# KiCad board lights.kicad_pcb (continued)
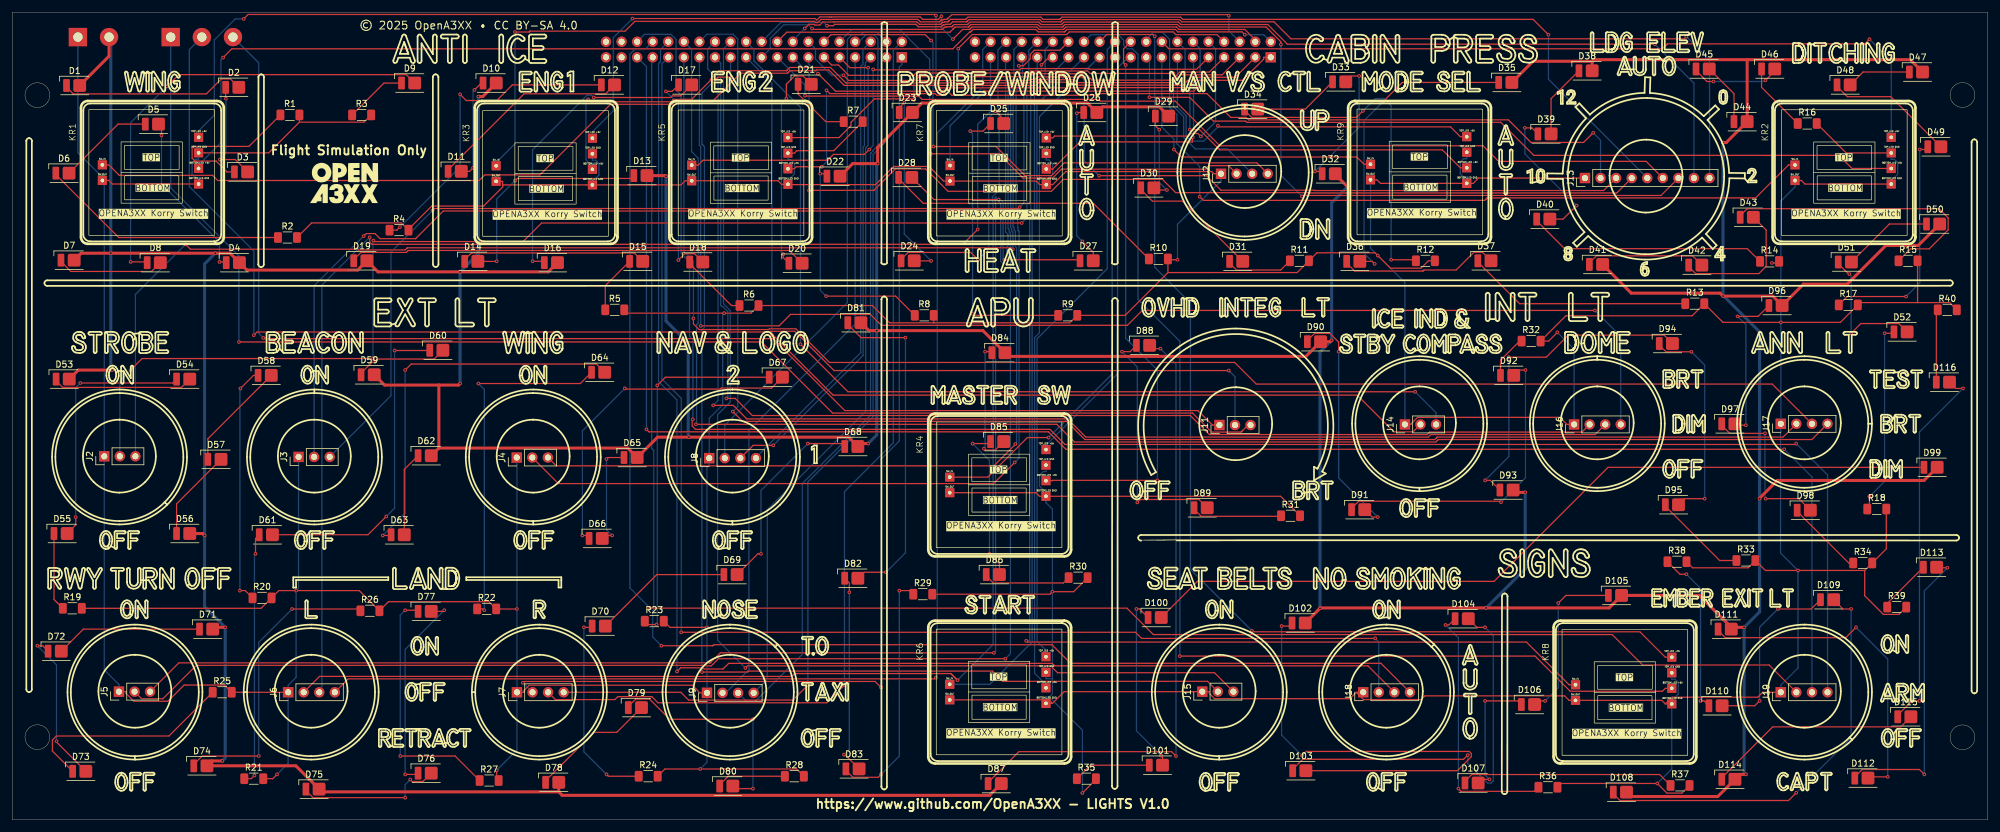
[diagram p0: board, top side]
## Nets (continued)
Net-(J1-Pin_21): J1.21 KR4.5
Net-(J1-Pin_22): J1.22 KR6.1
Net-(J1-Pin_23): J1.23 KR6.3
Net-(J1-Pin_24): J1.24 KR8.1
Net-(J1-Pin_25): J1.25 KR6.5
Net-(J1-Pin_26): J1.26 KR8.3
Net-(J1-Pin_27): J1.27 KR8.5
Net-(J1-Pin_28): J1.28 J2.3
Net-(J1-Pin_29): J1.29 J2.2
Net-(J1-Pin_30): J1.30 J3.2
Net-(J1-Pin_31): J1.31 J3.3
Net-(J1-Pin_32): J1.32 J4.2
Net-(J1-Pin_33): J1.33 J4.3
Net-(J1-Pin_34): J1.34 J5.2
Net-(J1-Pin_35): J1.35 J5.3
Net-(J1-Pin_36): J1.36 J6.2
Net-(J1-Pin_37): J1.37 J6.3
Net-(J1-Pin_38): J1.38 J6.4
Net-(J10-Pin_1): J7.2 J10.1
Net-(J10-Pin_2): J7.3 J10.2
Net-(J10-Pin_3): J7.4 J10.3
Net-(J10-Pin_4): J8.2 J10.4
Net-(J10-Pin_5): J8.3 J10.5
Net-(J10-Pin_6): J8.4 J10.6
Net-(J10-Pin_7): J9.2 J10.7
Net-(J10-Pin_8): J9.3 J10.8
Net-(J10-Pin_9): J9.4 J10.9
Net-(J10-Pin_10): J10.10 J12.2
Net-(J10-Pin_11): J10.11 J12.3
Net-(J10-Pin_12): J10.12 J12.4
Net-(J10-Pin_13): J10.13 J13.2
Net-(J10-Pin_14): J10.14 J13.3
Net-(J10-Pin_15): J10.15 J13.4
Net-(J10-Pin_16): J10.16 J13.5
Net-(J10-Pin_17): J10.17 J13.6
Net-(J10-Pin_18): J10.18 J13.7
Net-(J10-Pin_19): J10.19 J13.8
Net-(J10-Pin_20): J10.20 J13.9
Net-(J10-Pin_21): J10.21 J14.2
Net-(J10-Pin_22): J10.22 J14.3
Net-(J10-Pin_23): J10.23 J15.2
Net-(J10-Pin_24): J10.24 J15.3
Net-(J10-Pin_25): J10.25 J16.2
Net-(J10-Pin_26): J10.26 J16.3
Net-(J10-Pin_27): J10.27 J16.4
Net-(J10-Pin_28): J10.28 J17.2
Net-(J10-Pin_29): J10.29 J17.3
Net-(J10-Pin_30): J10.30 J17.4
Net-(J10-Pin_31): J10.31 J18.2
Net-(J10-Pin_32): J10.32 J18.3
Net-(J10-Pin_33): J10.33 J18.4
Net-(J10-Pin_34): J10.34 J19.2
Net-(J10-Pin_35): J10.35 J19.3
Net-(J10-Pin_36): J10.36 J19.4
Net-(J11-Pin_1): J11.1 J20.3
Net-(J11-Pin_2): J11.2 J20.2
Net-(J11-Pin_3): J11.3 J20.1

Pads without a net: J1 39 40; J10 37 38 39 40

## Via types
v1: diameter 0.6, hole 0.3, Top to Bottom, 280 vias

## Routing (per net, layer and track width the routed paths; a pad name or vN(x,y) marks a point on that pad's centre or on a via; arc(x,y) is an arc through that point)
+12V: length 1250.2
  Top w0.5: D71.2 32.99,31.39 v1(34.74,31.39) ; 280.46,31.39 275.25,36.6 D105.2 260.52,34.56 v1(240.47,34.56) 213.41,34.56 v1(213.35,34.5) D102.2 ; 280.46,31.39 v1(282.55,31.39) ; 280.46,31.39 D111.2 ; D13.2 106.57,105.1 v1(106.67,105) ; D81.2 139.76,79.8 v1(141.04,79.8) 158.36,79.8 D84.2 162.56,75.6 211.05,75.6 D90.2 215.03,78 v1(215.26,78.22) ; 283.05,124.02 309.64,124.02 D47.2 ; 283.05,124.02 258.02,124.02 257.76,123.75 ; 283.05,124.02 D44.2 279.64,110.49 v1(279.11,110.49) ; 69.6,70.92 69.6,60.64 ; 69.6,70.92 72.81,70.92 v1(73.06,71.17) ; 69.6,70.92 60.74,70.92 D59.2 ; 69.6,60.64 D62.2 ; 69.6,60.64 100.42,60.64 D65.2 105.29,62.43 v1(110.4,62.43) 136.43,62.43 D68.2 138.44,61.38 v1(139.63,61.38) ; D32.2 215.86,105.26 v1(217.86,103.27) ; v1(34.27,9.6) 32.56,9.6 D74.2 46.26,8.8 D75.2 50.51,4.55 89.16,4.55 ; D38.2 257.76,123.75 ; 257.76,123.75 248.11,123.75 D35.2 ; D56.2 31.06,46.7 v1(31.38,46.38) ; D99.2 311.9,55.35 287.97,55.35 285.08,52.47 v1(285.08,52.38) ; D29.2 187.14,116.31 177.86,116.31 D26.2 175.41,116.94 148.4,116.94 D23.2 141.19,109.73 v1(141.19,107.06) 137.12,107.06 D22.2 ; 89.16,4.55 89.72,3.99 159.45,3.99 D87.2 ; 89.16,4.55 D78.2 ; D1.2 15.79,124.59 J21.2 ; D53.2 10.77,73.37 v1(16.28,73.37) ; D93.2 245.25,53.41 v1(246.83,53.41) ; D7.2 11.23,92.43 v1(16.07,92.43) v1(33.12,92.43) 35.53,92.43 D4.2 38.27,89.69 56.35,89.69 D19.2 59.67,89.39 v1(73.06,89.39) 87.45,89.39 D16.2 ; D10.2 76.76,118 v1(76.05,118) ; D41.2 264.14,85.92 278.63,85.92 v1(279.11,85.44) 287.21,85.44 D96.2 292.24,87.39 299.38,87.39 305.68,93.69 310.95,93.69 D50.2 ; v1(282.85,7.4) 281.86,7.4 D114.2 278.25,3.79 264.07,3.79 D108.2
  Bottom w0.5: v1(16.28,73.37) 16.07,73.58 v1(16.07,92.43) 16.07,127.42 J21.2 ; v1(33.12,92.43) 31.38,90.7 v1(31.38,46.38) 31.38,34.75 v1(34.74,31.39) 34.74,10.07 v1(34.27,9.6) ; v1(279.11,110.49) v1(279.11,85.44) 279.24,85.44 285.08,79.59 v1(285.08,52.38) 285.08,33.92 v1(282.55,31.39) 282.55,7.7 v1(282.85,7.4) ; v1(217.86,103.27) 215.26,100.67 v1(215.26,78.22) 213.35,76.32 v1(213.35,34.5) ; v1(110.4,62.43) 110.29,62.54 110.29,77.74 106.67,81.37 v1(106.67,105) ; v1(141.19,107.06) 141.04,106.91 v1(141.04,79.8) 141.04,62.78 v1(139.63,61.38) ; v1(73.06,71.17) v1(73.06,89.39) 76.05,92.37 v1(76.05,118) ; v1(246.83,53.41) 246.83,40.92 v1(240.47,34.56)
GND: length 1608.4
  Top w0.2: R5.2 100.39,82.66 v1(116.14,82.66) 120.51,82.66 R6.2 140.32,83.9 143.14,81.08 150.35,81.08 ; J9.1 112.19,20.7 110.94,21.95 84.36,21.95 83.49,21.09 83.49,20.8 J7.1 ; R39.2 307.81,33.51 305.27,33.51 302.23,36.55 302.23,40.68 ; 80.01,103.58 80.01,103.25 76.89,100.13 68.43,100.13 64.65,96.35 R4.2 63.47,97.38 48.83,97.38 R2.2 ; 80.01,103.58 KR3.4 109.12,103.58 109.8,104.26 KR5.6 124.92,104.26 125.5,103.68 126.02,103.68 ; 80.01,103.58 80,103.59 80,104.16 KR3.6 ; 150.35,81.08 172.53,81.08 R9.2 181.57,82.3 188.55,89.28 ; 150.35,81.08 R8.2 ; 126.02,103.68 126.08,103.63 140.83,103.63 143.39,106.19 ; 126.02,103.68 KR5.4 ; 143.39,106.19 143.56,106.35 ; 143.39,106.19 143.56,106.35 ; 46.85,113.82 41.84,108.81 KR1.2 ; 46.85,113.82 R1.2 ; 46.85,113.82 57.37,113.82 R3.2 ; R36.2 252.72,5.92 v1(268.39,5.92) 269.96,4.35 272.4,4.35 R37.2 ; R12.2 231.06,91.2 229.85,90 224.85,90 v1(222.79,92.05) 222.34,92.5 212.85,92.5 R11.2 209.63,89.28 188.55,89.28 ; 188.55,89.28 R10.2 188.68,91.37 v1(190.11,91.37) ; 302.23,40.68 v1(291.35,40.68) 286.02,40.68 R33.2 283.21,41.11 274.14,41.11 R38.2 ; 302.23,40.68 R34.2 305.75,44.2 R18.2 ; KR8.4 269.7,18.9 ; 269.7,18.9 269.12,19.48 KR8.6 254,19.48 253.27,20.21 230.46,20.21 229.86,19.61 220.45,19.61 219.26,20.8 ; 269.7,18.9 270.79,19.99 284.78,19.99 285.59,20.8 J19.1 ; R21.2 42.5,6.7 v1(43.2,7.4) ; R19.2 40.6,34.5 R20.2 43.49,37.39 v1(46.32,37.39) 56.61,37.39 R26.2 61.38,35.58 77.77,35.58 R22.2 78.96,34.39 v1(82.34,34.39) ; R40.2 316.07,84.38 310.85,84.38 ; J12.1 196.06,105.4 195.7,105.75 171.88,105.75 169.75,103.63 KR7.4 167.65,103.63 167.07,104.21 KR7.6 151.95,104.21 149.57,106.59 143.79,106.59 143.56,106.35 ; KR1.6 15.75,104.31 16.33,103.73 KR1.4 ; 169.7,18.98 169.12,19.56 KR6.6 ; 169.7,18.98 KR6.4 ; 169.7,18.98 171.62,20.9 J15.1 195.3,20.9 195.3,20.61 196.17,19.75 218.21,19.75 219.26,20.8 ; R23.2 107.31,31.39 v1(113.34,31.39) ; KR4.6 167.02,53.36 167.6,52.78 KR4.4 206.92,52.78 R31.2 ; J5.1 18.56,20.9 18.56,20.61 19.84,19.34 25.39,19.34 28.04,21.98 34.62,21.98 R25.2 J6.1 ; 310.85,84.38 R15.2 ; 310.85,84.38 301.48,84.38 R17.2 298.25,81.15 v1(288.54,81.15) 279.1,81.15 R13.2 274.08,82.23 253.48,82.23 R32.2 250.66,78.1 v1(252.08,79.52) ; KR5.2 127.6,108.76 128,109.16 134.01,109.16 R7.2 ; v1(287.09,90.85) 288,90.85 R14.2 ; R29.2 169.29,36.8 v1(169.7,37.21) 173.16,37.21 R30.2 ; R24.2 106.48,8.28 v1(112.24,8.28) 127.97,8.28 R28.2 ; KR2.2 299.2,108.8 R16.2 ; 219.26,20.8 J18.1 ; R27.2 79.03,6.72 v1(79.03,8.09) ; KR2.6 291.9,104.3 292.48,103.72 KR2.4 ; KR9.6 222.65,104.41 223.23,103.83 KR9.4 238.35,103.83 239.22,104.7 J13.1 ; R35.2 176.8,6.57 v1(174.59,4.36) ; J16.1 253.66,64.5 252.51,65.65 229.27,65.65 228.2,64.57 228.2,64.5 J14.1
  Bottom w0.2: 169.18,20.03 174.59,14.61 v1(174.59,4.36) ; 169.18,20.03 168.65,20.03 KR6.4 ; 169.18,20.03 169.7,20.56 169.7,23.01 ; v1(116.14,82.66) 115.9,82.42 115.9,67.7 113.71,65.51 J8.1 113.71,57.85 113.34,57.48 v1(113.34,31.39) J9.1 113.34,9.38 v1(112.24,8.28) ; KR1.2 30.4,107.76 29.87,107.76 29.35,107.23 29.35,105.31 29.87,104.78 30.4,104.78 KR1.4 ; KR9.4 237.3,104.88 236.77,104.88 236.25,105.41 236.25,107.33 236.77,107.86 237.3,107.86 KR9.2 ; KR1.6 14.7,104.84 ; 14.7,104.84 14.7,105.36 14.17,105.36 10.71,108.83 J21.1 ; 14.7,104.84 15.01,104.53 J2.1 15.01,24.45 17.41,22.05 J5.1 ; KR7.2 168.7,107.66 169.14,107.66 169.75,107.05 169.75,105.3 169.14,104.68 168.7,104.68 KR7.4 ; v1(190.11,91.37) 190.11,97.15 197.21,104.25 J12.1 ; J4.1 82.31,57.95 82.34,57.92 v1(82.34,34.39) J7.1 82.34,11.39 v1(79.03,8.09) ; v1(252.08,79.52) 254.81,76.79 J16.1 ; KR3.2 94.65,107.61 95.18,107.61 95.7,107.08 95.7,105.16 95.18,104.63 94.65,104.63 KR3.4 ; 288.54,90.85 288.54,100.94 290.85,103.25 KR2.6 ; 288.54,90.85 v1(288.54,81.15) J17.1 288.54,63.45 288.5,63.41 288.5,43.52 v1(291.35,40.68) 291.35,24.76 288.54,21.95 J19.1 ; 288.54,90.85 v1(287.09,90.85) ; KR2.4 306.55,104.77 307.08,104.77 307.6,105.3 307.6,107.22 307.08,107.75 306.55,107.75 KR2.2 ; 169.7,23.01 v1(169.7,37.21) 169.7,50.68 168.65,51.73 KR4.4 168.65,53.83 168.19,53.83 167.6,54.42 167.6,56.22 168.19,56.81 168.65,56.81 KR4.2 ; 169.7,23.01 168.65,23.01 KR6.2 ; KR5.4 126.55,104.73 126.99,104.73 127.6,105.34 127.6,107.09 126.99,107.71 126.55,107.71 KR5.2 ; J3.1 46.71,37.78 v1(46.32,37.39) 46.32,23.26 45.01,21.95 J6.1 45.01,9.21 v1(43.2,7.4) ; KR8.2 270.75,22.93 271.28,22.93 271.8,22.4 271.8,20.48 271.28,19.95 270.75,19.95 KR8.4 270.75,8.29 v1(268.39,5.92) ; J14.1 227.21,87.63 v1(222.79,92.05) 221.6,93.24 KR9.6
Net-(D1-K): length 30.4
  Top w0.2: D1.1 8.85,119.53 9.95,118.43 31.66,118.43 34.11,120.88 35.58,120.88 D2.2
Net-(D2-K): length 17.6
  Top w0.2: D2.1 34.81,117.7 v1(34.85,117.65) ; D3.2 36.38,107.72 v1(33.87,107.72)
  Bottom w0.2: v1(34.85,117.65) 34.85,108.7 v1(33.87,107.72)
Net-(D3-K): length 26.2
  Top w0.2: R1.1 38.61,109.86 29.52,109.86 29.35,109.69 29.35,107.94 29.81,107.47 33.26,107.47 35.03,105.7 D3.1
Net-(D4-K): length 27.8
  Top w0.2: v1(24.35,111.65) 24.35,113.01 D5.2 ; v1(33.81,91.02) 34.79,91.02 D4.1
  Bottom w0.2: v1(33.81,91.02) 33.81,94.26 24.35,103.72 v1(24.35,111.65)
Net-(D5-K): length 15.8
  Top w0.2: D6.2 17.26,113.5 D5.1
Net-(D6-K): length 40.7
  Top w0.2: R2.1 17.36,95 7.11,105.25 D6.1
Net-(D7-K): length 17.7
  Top w0.2: D8.2 22.72,89.46 9.56,89.46 7.95,91.07 D7.1
Net-(D8-K): length 75.6
  Top w0.2: D8.1 21.88,91.03 v1(19.31,91.03) ; v1(25.22,119.64) 27.15,121.57 64.29,121.57 D9.2
  Bottom w0.2: v1(19.31,91.03) 19.31,113.73 v1(25.22,119.64)
Net-(D9-K): length 10.2
  Top w0.2: R3.1 60.65,120.2 D9.1
Net-(D10-K): length 16.8
  Top w0.2: v1(75.18,106.36) 74.62,105.8 D11.2 ; v1(75.41,119.08) 76.53,120.2 D10.1
  Bottom w0.2: v1(75.41,119.08) 75.18,118.85 v1(75.18,106.36)
Net-(D11-K): length 33.1
  Top w0.2: D11.1 71.11,106.05 83.5,118.44 96.8,118.44 D12.2
Net-(D12-K): length 52.1
  Top w0.2: v1(73.06,118.36) 74.06,117.35 79.05,117.35 81.59,119.9 D12.1 ; R4.1 62.75,96.2 v1(63.23,96.69)
  Bottom w0.2: v1(63.23,96.69) 73.06,106.52 v1(73.06,118.36)
Net-(D13-K): length 37.2
  Top w0.2: D14.2 79.01,91.1 v1(79.03,91.12) ; v1(82.02,104.27) 82.38,104.63 100.94,104.63 D13.1
  Bottom w0.2: v1(79.03,91.12) 79.03,101.28 v1(82.02,104.27)
Net-(D14-K): length 30.3
  Top w0.2: D14.1 73.81,91.37 74.91,92.47 101.49,92.47 D15.2
Net-(D15-K): length 9.5
  Top w0.2: R5.1 96.75,87.14 D15.1
Net-(D16-K): length 50.9
  Top w0.2: D16.1 86.59,91.12 v1(84.89,91.12) ; D17.2 109.06,118.1 107.68,118.1 107.42,117.84 v1(94.86,117.84)
  Bottom w0.2: v1(94.86,117.84) 94.49,118.21 93.78,118.21 84.89,109.32 v1(84.89,91.12)
Net-(D17-K): length 35.8
  Top w0.2: v1(106.63,118.84) 107.65,118.84 D17.1 ; v1(108.68,91.33) 109.71,92.35 111.31,92.35 D18.2
  Bottom w0.2: v1(108.68,91.33) 108.68,116.79 v1(106.63,118.84)
Net-(D18-K): length 11.2
  Top w0.2: D18.1 110.51,90.73 117.34,83.9 R6.1
Net-(D19-K): length 74.9
  Top w0.2: 64.6,92.88 126.78,92.88 D20.2 ; 64.6,92.88 64.51,92.8 ; 64.6,92.88 64.51,92.8 ; D19.1 55.71,91.39 56.89,92.57 64.28,92.57 64.51,92.8
Net-(D20-K): length 35.2
  Top w0.2: D21.2 129.01,121.35 127.63,121.35 126.3,120.02 v1(126.3,117.68) ; v1(125.78,92.28) 125.78,91.73 D20.1
  Bottom w0.2: v1(126.3,117.68) 125.5,116.88 125.5,92.56 v1(125.78,92.28)
Net-(D21-K): length 10.9
  Top w0.2: R7.1 132.73,113.9 128.21,118.42 D21.1
Net-(D22-K): length 37.4
  Top w0.2: v1(131.83,105.41) 132.5,105.41 D22.1 ; R8.1 144.12,85.43 v1(132.79,85.43)
  Bottom w0.2: v1(132.79,85.43) 131.83,86.39 v1(131.83,105.41)
Net-(D23-K): length 32.3
  Top w0.2: v1(149.91,91.19) 147.17,91.19 D24.2 ; D23.1 144.71,116.19 v1(145.52,117)
  Bottom w0.2: v1(149.91,91.19) 145.52,95.57 v1(145.52,117)
Net-(D24-K): length 41.8
  Top w0.2: D24.1 145.01,91.42 146.16,92.56 156.37,92.56 v1(157.57,91.37) ; v1(160.4,115.63) 161.76,114.28 D25.2
  Bottom w0.2: v1(157.57,91.37) 159.32,93.11 159.32,114.55 v1(160.4,115.63)
Net-(D25-K): length 47.9
  Top w0.2: R9.1 156.9,82.3 v1(156.68,82.52) ; v1(156.3,112.36) 158.37,112.36 D25.1
  Bottom w0.2: v1(156.3,112.36) 156.68,111.98 v1(156.68,82.52)
Net-(D26-K): length 26.4
  Top w0.2: v1(174.59,94.37) 176.36,92.6 D27.2 ; D26.1 173.8,115.4 v1(173.67,115.27)
  Bottom w0.2: v1(174.59,94.37) 173.67,95.28 v1(173.67,115.27)
Net-(D27-K): length 38.6
  Top w0.2: D27.1 174.05,91.36 v1(161.85,91.36) ; v1(160.92,101.19) 150.37,101.19 D28.2
  Bottom w0.2: v1(161.85,91.36) 161.66,91.55 161.66,100.73 161.07,101.33 v1(160.92,101.19)
Net-(D28-K): length 46.5
  Top w0.2: D28.1 144.61,104.6 148.62,100.59 176.36,100.59 R10.1
Net-(D29-K): length 15.1
  Top w0.2: D29.1 186.5,113.23 v1(187.13,112.59) ; v1(188.38,102.75) 186.61,102.75 D30.2
  Bottom w0.2: v1(187.13,112.59) 187.13,103.99 v1(188.38,102.75)
Net-(D30-K): length 21.8
  Top w0.2: D30.1 184.11,102.83 186.01,100.93 190.92,100.93 D31.2
Net-(D31-K): length 11.2
  Top w0.2: R11.1 206.94,89.69 199.73,89.69 198.6,90.83 D31.1
Net-(D32-K): length 22.5
  Top w0.2: D33.2 218.51,121.35 v1(219.75,121.35) ; v1(212.54,105.78) 213.33,105.78 D32.1
  Bottom w0.2: v1(219.75,121.35) 219.75,112.99 v1(212.54,105.78)
Net-(D33-K): length 14.1
  Top w0.2: D34.2 210.96,115.95 D33.1
Net-(D34-K): length 55.6
  Top w0.2: v1(220.36,115.65) 219.3,114.59 202.21,114.59 201.05,115.75 D34.1 ; v1(224.96,91.37) 228.83,91.37 R12.1
  Bottom w0.2: v1(224.96,91.37) 224.96,116.51 223.8,117.67 222.37,117.67 v1(220.36,115.65)
Net-(D35-K): length 51.2
  Top w0.2: v1(222.27,90.7) 221.87,91.1 D36.2 ; D35.1 226.79,120.3 v1(223.55,117.07)
  Bottom w0.2: v1(223.55,117.07) 220.54,114.06 220.54,92.42 v1(222.27,90.7)
Net-(D36-K): length 26.4
  Top w0.2: 230.15,89.53 230.32,89.69 ; 230.15,89.53 230.32,89.69 ; 230.15,89.53 219.01,89.53 217.71,90.83 D36.1 ; 230.32,89.69 235.57,89.69 238.46,92.59 239.87,92.59 D37.2
Net-(D37-K): length 36.8
  Top w0.2: D37.1 239.11,91.01 245.92,84.2 R13.1
Net-(D38-K): length 12.2
  Top w0.2: D38.1 251.06,117.65 D39.2
Net-(D39-K): length 24
  Top w0.2: v1(255.22,100.21) 253.01,98 D40.2 ; v1(246.78,112.89) 247.92,112.89 D39.1
  Bottom w0.2: v1(246.78,112.89) 246.78,108.65 v1(255.22,100.21)
Net-(D40-K): length 39.5
  Top w0.2: D40.1 248.71,97.73 253.26,93.18 283.07,93.18 R14.1
Net-(D41-K): length 19.7
  Top w0.2: D41.1 257.31,90.88 258.44,92.01 274.15,92.01 D42.2
Net-(D42-K): length 22.7
  Top w0.2: D42.1 273.51,90.25 274.65,89.11 284.97,89.11 286.15,90.3 286.15,96.21 D43.2
Net-(D43-K): length 47.4
  Top w0.2: D43.1 281.91,98.56 283.05,99.69 314.36,99.69 315.84,98.21 315.84,96.24 312.75,93.14 309.69,93.14 R15.1
Net-(D44-K): length 10.3
  Top w0.2: D44.1 280.9,118.46 D45.2
Net-(D45-K): length 14.9
  Top w0.2: D45.1 274.71,122.24 276.49,120.45 v1(277.56,120.45) ; v1(286.04,120.65) 287.55,122.17 D46.2
  Bottom w0.2: v1(286.04,120.65) 285.84,120.45 v1(277.56,120.45)
Net-(D46-K): length 11.3
  Top w0.2: D46.1 285.4,119.5 R16.1
Net-(D47-K): length 10.5
  Top w0.2: D47.1 301.96,122 D48.2
Net-(D48-K): length 21.3
  Top w0.2: D49.2 306.49,117.97 299.4,117.97 297.71,119.66 D48.1
Net-(D49-K): length 37.9
  Top w0.2: v1(308.97,85.37) 299.37,85.37 R17.1 ; D49.1 312.07,109.36 v1(311.21,109.36)
  Bottom w0.2: v1(308.97,85.37) 311.21,87.61 v1(311.21,109.36)
Net-(D50-K): length 14.8
  Top w0.2: D51.2 306.26,97.2 D50.1
Net-(D51-K): length 22.9
  Top w0.2: D51.1 297.91,90.72 299.6,89.03 v1(299.73,89.03) ; D52.2 307.79,80.96 301.6,80.96 v1(300.01,79.37)
  Bottom w0.2: v1(299.73,89.03) 300.01,88.75 v1(300.01,79.37)
Net-(D52-K): length 31.5
  Top w0.2: v1(303,52.73) 303,51.05 R18.1 ; D52.1 306.77,79.37 v1(305.47,79.37)
  Bottom w0.2: v1(303,52.73) 305.47,55.2 v1(305.47,79.37)
Net-(D53-K): length 23.1
  Top w0.2: D53.1 7.15,71.63 8.23,70.54 27.6,70.54 D54.2
Net-(D54-K): length 41.4
  Top w0.2: D55.2 10.35,48.09 v1(10.35,49.38) ; D54.1 26.17,71.26 v1(11.1,71.26)
  Bottom w0.2: v1(11.1,71.26) 10.35,70.51 v1(10.35,49.38)
Net-(D55-K): length 12.8
  Top w0.2: R19.1 6.81,35.94 D55.1
Net-(D56-K): length 15.1
  Top w0.2: D57.2 26.81,51.55 D56.1
Net-(D57-K): length 18
  Top w0.2: D57.1 31.91,62.15 D58.2
Net-(D58-K): length 39.3
  Top w0.2: R20.1 38.01,37.39 v1(37.14,37.39) ; D58.1 39.35,72.5 v1(37.23,70.37)
  Bottom w0.2: v1(37.14,37.39) 37.14,70.29 v1(37.23,70.37)
Net-(D59-K): length 15.2
  Top w0.2: D59.1 56.91,72.86 58.69,74.64 59.09,74.64 59.62,75.17 68.83,75.17 D60.2
Net-(D60-K): length 53.2
  Top w0.2: D61.2 58.03,46.5 v1(61.02,49.48) ; D60.1 68.07,76.56 v1(62.38,76.56)
  Bottom w0.2: v1(62.38,76.56) 62.38,50.85 v1(61.02,49.48)
Net-(D61-K): length 41.5
  Top w0.2: v1(39.51,7.22) 38.99,6.7 R21.1 ; D61.1 39.69,45.89 v1(39.69,43.38)
  Bottom w0.2: v1(39.69,43.38) 39.51,43.21 v1(39.51,7.22)
Net-(D62-K): length 13.8
  Top w0.2: D62.1 63.96,57.15 D63.2
Net-(D63-K): length 63.4
  Top w0.2: v1(64.1,73.37) 65.08,74.35 95.31,74.35 D64.2 ; v1(60.44,46.38) 61.69,46.38 D63.1
  Bottom w0.2: v1(60.44,46.38) 64.1,50.04 v1(64.1,73.37)
Net-(D64-K): length 57.9
  Top w0.2: R22.1 76.8,34.4 v1(77.02,34.18) ; v1(76.05,71.17) 92.68,71.17 D64.1
  Bottom w0.2: v1(77.02,34.18) 77.02,70.2 v1(76.05,71.17)
Net-(D65-K): length 17.6
  Top w0.2: D65.1 97.2,59.1 v1(96.95,58.86) ; D66.2 96.74,46.38 v1(97.88,46.38)
  Bottom w0.2: v1(96.95,58.86) 96.95,47.31 v1(97.88,46.38)
Net-(D66-K): length 54.9
  Top w0.2: v1(93.02,46.38) 93.63,46.38 D66.1 ; D67.2 123.88,70.43 115.69,70.43 ; 115.69,70.43 115.58,70.32 ; 115.69,70.43 115.58,70.32 ; 115.58,70.32 115.52,70.26 100.05,70.26 v1(99.94,70.37)
  Bottom w0.2: v1(99.94,70.37) 93.02,63.45 v1(93.02,46.38)
Net-(D67-K): length 60
  Top w0.2: R23.1 103.75,31.85 v1(105.12,31.85) ; v1(105.23,70.87) 106.56,72.2 D67.1
  Bottom w0.2: v1(105.23,70.87) 105.23,31.96 v1(105.12,31.85)
Net-(D68-K): length 32.7
  Top w0.2: D68.1 135.33,61.38 v1(129.8,61.38) ; D69.2 121.64,43.38 v1(122.16,43.38)
  Bottom w0.2: v1(122.16,43.38) 122.16,53.74 v1(129.8,61.38)
Net-(D69-K): length 22.8
  Top w0.2: D69.1 105.16,40 D70.2
Net-(D70-K): length 32.3
  Top w0.2: v1(93.27,31.39) 94.4,31.39 D70.1 ; R24.1 97.25,7.1 v1(96.95,7.4)
  Bottom w0.2: v1(93.27,31.39) 93.27,11.08 v1(96.95,7.4)
Net-(D71-K): length 24
  Top w0.2: D71.1 11.6,31.1 D72.2
Net-(D72-K): length 25.9
  Top w0.2: v1(4.09,28.39) 4.96,28.39 D72.1 ; D73.2 7.22,12.68 v1(7.22,12.81)
  Bottom w0.2: v1(7.22,12.81) 7.22,25.26 v1(4.09,28.39)
Net-(D73-K): length 35.9
  Top w0.2: R25.1 25.56,13.66 7.2,13.66 6.55,13.01 6.55,11.2 D73.1
Net-(D74-K): length 48.9
  Top w0.2: R26.1 56.51,34.39 v1(45.65,34.39) ; v1(40.21,10.4) 30.99,10.4 29.61,9.02 D74.1
  Bottom w0.2: v1(45.65,34.39) 40.21,28.95 v1(40.21,10.4)
Net-(D75-K): length 24.4
  Top w0.2: v1(64.1,3.6) 49.06,3.6 47.91,4.75 D75.1 ; D76.2 67,6.24 65.26,6.24 v1(64.93,6.56)
  Bottom w0.2: v1(64.93,6.56) 64.1,5.73 v1(64.1,3.6)
Net-(D76-K): length 33.8
  Top w0.2: D77.2 70.31,34 v1(70.49,34.18) ; D76.1 66.01,7.4 v1(64.1,7.4)
  Bottom w0.2: v1(64.1,7.4) 64.1,27.8 v1(70.49,34.18)
Net-(D77-K): length 40.9
  Top w0.2: R27.1 72.25,10.4 v1(63.31,10.4) ; v1(64.1,34.18) 66.03,34.18 D77.1
  Bottom w0.2: v1(63.31,10.4) 63.31,33.39 v1(64.1,34.18)
Net-(D78-K): length 20.9
  Top w0.2: D79.2 98.62,14.26 94.9,14.26 87.01,6.37 D78.1
Net-(D79-K): length 37.2
  Top w0.2: v1(120.84,16.39) 107.27,16.39 103.98,19.68 101.71,19.68 100.51,18.49 D79.1 ; D80.2 117.99,5.07 v1(120.84,5.07)
  Bottom w0.2: v1(120.84,16.39) v1(120.84,5.07)
Net-(D80-K): length 11.4
  Top w0.2: D80.1 115.41,5.7 116.81,7.1 R28.1
Net-(D81-K): length 55.2
  Top w0.2: D81.1 136.31,80.82 138.47,78.66 v1(145.72,78.66) ; D82.2 138.95,40.39 v1(142.54,40.39)
  Bottom w0.2: v1(145.72,78.66) 145.72,43.57 v1(142.54,40.39)
Net-(D82-K): length 32.9
  Top w0.2: v1(136.57,37.12) 136.57,38.64 D82.1 ; v1(135.69,10.62) 135.84,10.62 D83.2
  Bottom w0.2: v1(136.57,37.12) 136.57,11.5 v1(135.69,10.62)
Net-(D83-K): length 40.4
  Top w0.2: v1(141.74,7.4) 141.28,6.93 137.13,6.93 136.01,8.05 D83.1 ; v1(144.73,37.39) 146.41,37.39 R29.1
  Bottom w0.2: v1(141.74,7.4) 144.73,10.38 v1(144.73,37.39)
Net-(D84-K): length 21
  Top w0.2: v1(158.52,60.54) 158.75,60.32 160.38,60.32 D85.2 ; D84.1 159.64,76.37 v1(158.71,76.37)
  Bottom w0.2: v1(158.52,60.54) 158.71,60.73 v1(158.71,76.37)
Net-(D85-K): length 26.3
  Top w0.2: v1(159.43,43.38) 161.06,41.76 D86.2 ; v1(156.68,61.38) 159.29,61.38 D85.1
  Bottom w0.2: v1(156.68,61.38) 159.43,58.62 v1(159.43,43.38)
Net-(D86-K): length 14.5
  Top w0.2: R30.1 171.48,38.63 160.06,38.63 158.91,39.78 D86.1
Net-(D87-K): length 102.7
  Top w0.2: D87.1 159.21,6.09 164.23,11.11 189.15,11.11 v1(189.86,10.4) ; D88.2 186.1,76.86 v1(187.32,76.86)
  Bottom w0.2: v1(189.86,10.4) 189.86,74.32 v1(187.32,76.86)
Net-(D88-K): length 40.6
  Top w0.2: v1(181.04,76.37) 182.38,76.37 D88.1 ; D89.2 193.61,52.25 184.02,52.25 v1(183.55,51.78)
  Bottom w0.2: v1(181.04,76.37) 183.55,73.86 v1(183.55,51.78)
Net-(D89-K): length 14.9
  Top w0.2: D89.1 192.81,50.68 193.98,49.51 206.91,49.51 R31.1
Net-(D90-K): length 40.2
  Top w0.2: v1(216.4,76.37) 216.4,77.93 214.97,79.35 212.46,79.35 211.3,78.19 D90.1 ; D91.2 221.88,49.38 v1(222.79,49.38)
  Bottom w0.2: v1(216.4,76.37) 216.4,55.77 v1(222.79,49.38)
Net-(D91-K): length 50.6
  Top w0.2: D92.2 245.83,73.37 v1(246.88,73.37) ; v1(242.89,51.82) 242.73,51.97 219.67,51.97 218.51,50.81 D91.1
  Bottom w0.2: v1(246.88,73.37) 246.88,55.81 v1(242.89,51.82)
Net-(D92-K): length 7.2
  Top w0.2: R32.1 245.94,78.1 242.81,74.97 D92.1
Net-(D93-K): length 53.5
  Top w0.2: v1(240.29,55.38) 241.13,55.38 D93.1 ; D94.2 269.49,79.07 253.86,79.07 250.27,75.47 v1(244.17,75.47)
  Bottom w0.2: v1(244.17,75.47) 244.17,59.26 v1(240.29,55.38)
Net-(D94-K): length 35.5
  Top w0.2: D95.2 272.83,52.38 v1(276.12,52.38) ; v1(273.96,76.35) 269.81,76.35 268.71,77.45 D94.1
  Bottom w0.2: v1(276.12,52.38) 276.12,74.19 v1(273.96,76.35)
Net-(D95-K): length 15.5
  Top w0.2: R33.1 278.56,42.3 269.7,51.16 D95.1
Net-(D96-K): length 26.1
  Top w0.2: D97.2 281.27,64.38 v1(282.85,64.38) ; D96.1 284.83,82.13 v1(281.48,82.13)
  Bottom w0.2: v1(281.48,82.13) 282.85,80.76 v1(282.85,64.38)
Net-(D97-K): length 26.6
  Top w0.2: D97.1 278.9,64.35 280.2,63.05 v1(285.95,63.05) ; D98.2 291.47,52.39 v1(286.07,52.39)
  Bottom w0.2: v1(285.95,63.05) 285.95,52.51 v1(286.07,52.39)
Net-(D98-K): length 12.8
  Top w0.2: R34.1 299.62,41.9 291.21,50.31 D98.1
Net-(D100-A): length 134.6
  Top w0.2: D100.2 193.35,38.89 241.75,38.89 260.35,57.5 D99.1
Net-(D100-K): length 29.7
  Top w0.2: D100.1 183.92,34.39 v1(183.41,34.39) ; D101.2 187.66,10.26 v1(187.44,10.47)
  Bottom w0.2: v1(183.41,34.39) 183.41,14.51 v1(187.44,10.47)
Net-(D101-K): length 12.7
  Top w0.2: D101.1 175.9,8.9 R35.1
Net-(D102-K): length 80.9
  Top w0.2: D102.1 208.3,31.6 v1(207.1,31.6) ; v1(210.43,10.47) 211.1,11.14 237.7,11.14 238.05,10.79 238.05,10.29 235.76,8 D103.2
  Bottom w0.2: v1(207.1,31.6) 207.1,13.8 v1(210.43,10.47)
Net-(D103-K): length 65.6
  Top w0.2: v1(237.45,10.54) 236.77,9.86 210.54,9.86 208.9,8.22 D103.1 ; v1(240.29,31.39) 238.96,31.39 D104.2
  Bottom w0.2: v1(237.45,10.54) 237.45,9.22 240.68,5.99 241.27,5.99 241.63,6.34 241.63,30.05 v1(240.29,31.39)
Net-(D104-K): length 43.1
  Top w0.2: R36.1 248.33,4.63 236.38,4.63 v1(235.94,5.07) ; D104.1 234.38,31.78 v1(233.84,31.78)
  Bottom w0.2: v1(235.94,5.07) 235.94,29.68 v1(233.84,31.78)
Net-(D105-K): length 27.5
  Top w0.2: D106.2 248.95,19.39 v1(250.08,19.39) ; D105.1 253.49,36.6 v1(252.23,35.35)
  Bottom w0.2: v1(252.23,35.35) 252.23,21.55 v1(250.08,19.39)
Net-(D106-K): length 21.3
  Top w0.2: D107.2 239.75,6.59 v1(241,6.59) ; D106.1 245.62,19.39 v1(240.29,19.39)
  Bottom w0.2: v1(241,6.59) 240.29,7.3 v1(240.29,19.39)
Net-(D107-K): length 35
  Top w0.2: R37.1 268.78,7.37 238.11,7.37 237.01,6.28 D107.1
Net-(D108-K): length 68.3
  Top w0.2: D109.2 298.67,34.39 v1(300.01,34.39) ; v1(291.05,4.4) 289.79,3.14 262.31,3.14 261.21,4.23 D108.1
  Bottom w0.2: v1(291.05,4.4) 300.01,13.36 v1(300.01,34.39)
Net-(D109-K): length 30.3
  Top w0.2: v1(285.08,19.39) 284.29,18.6 D110.2 ; v1(288.07,34.39) 293.5,34.39 D109.1
  Bottom w0.2: v1(288.07,34.39) 285.08,31.4 v1(285.08,19.39)
Net-(D110-K): length 27.2
  Top w0.2: D110.1 276.02,19.39 v1(275.44,19.39) ; R38.1 272.1,40.05 v1(273.14,40.05)
  Bottom w0.2: v1(275.44,19.39) 275.44,37.75 v1(273.14,40.05)
Net-(D111-K): length 53.7
  Top w0.2: D112.2 302.96,7 v1(305.99,7) ; v1(300.81,31.39) 299.13,29.71 279.47,29.71 278.31,30.87 D111.1
  Bottom w0.2: v1(305.99,7) 305.99,26.21 v1(300.81,31.39)
Net-(D112-K): length 49.4
  Top w0.2: v1(315.72,41.11) 314.05,41.11 D113.2 ; D112.1 300.61,6.99 301.82,8.2 311.16,8.2 v1(311.96,7.4)
  Bottom w0.2: v1(315.72,41.11) 311.96,37.35 v1(311.96,7.4)
Net-(D113-K): length 8.9
  Top w0.2: D113.1 305.9,35.29 R39.1
Net-(D114-K): length 35.2
  Top w0.2: D115.2 308.11,15.15 287.22,15.15 278.91,6.85 D114.1
Net-(D115-K): length 61.3
  Top w0.2: D116.2 317.09,70.37 v1(318.27,70.37) ; v1(311.16,19.39) 309.94,19.39 307.61,17.06 D115.1
  Bottom w0.2: v1(311.16,19.39) 311.16,63.27 v1(318.27,70.37)
Net-(D116-K): length 11.9
  Top w0.2: D116.1 313.91,82.96 R40.1
Net-(J1-Pin_1): length 205.1
  Top w0.2: 176.37,119.44 176.38,119.45 ; 176.37,119.44 176.35,119.42 151.48,119.42 v1(151.28,119.22) ; 176.37,119.44 176.38,119.45 ; 176.38,119.45 191.94,119.45 193.14,120.65 200.71,120.65 204.18,124.11 204.18,124.4 J1.1 ; v1(150.7,131.22) 150.53,131.39 38.49,131.39 v1(37.76,130.67)
  Bottom w0.2: v1(37.76,130.67) 36.38,130.67 32.96,127.25 32.96,114.96 30.4,112.4 KR1.1 ; v1(151.28,119.22) 150.7,119.79 v1(150.7,131.22)
Net-(J1-Pin_2): length 194.5
  Top w0.2: 156.34,128.54 156.21,128.54 153.45,125.78 35.83,125.78 v1(34.4,124.35) ; 156.34,128.54 156.51,128.71 ; 156.34,128.54 156.51,128.71 ; 156.51,128.71 156.75,128.94 166.97,128.94 167.37,128.54 171.68,128.54 ; 171.85,128.71 172.08,128.94 189.77,128.94 190.17,128.54 200.65,128.54 v1(201.1,128.09) ; 171.85,128.71 171.68,128.54 ; 171.85,128.71 171.68,128.54
  Bottom w0.2: KR1.3 30.4,107.32 30.88,107.32 34.05,110.49 34.05,124.01 v1(34.4,124.35) ; J1.2 204.18,128.09 v1(201.1,128.09)
Net-(J1-Pin_3): length 201
  Top w0.2: 167.41,120.23 167.52,120.34 ; 167.41,120.23 166.99,119.82 135.74,119.82 133.22,122.34 131.2,122.34 131.08,122.21 126.88,122.21 126.65,121.97 ; 167.41,120.23 167.52,120.34 ; 167.52,120.34 173.06,120.34 173.53,119.87 191.03,119.87 191.64,120.47 ; 114.31,117.29 114.15,117.13 ; 114.31,117.29 118.83,121.81 126.48,121.81 ; 114.31,117.29 114.15,117.13 ; 114.15,117.13 108.04,117.13 ; 126.65,121.97 126.48,121.81 ; 126.65,121.97 126.48,121.81 ; J1.3 199.53,121.14 192.31,121.14 191.8,120.64 ; 107.88,116.97 108.04,117.13 ; 107.88,116.97 107.65,116.74 97.61,116.74 86.08,105.21 77.08,105.21 76.17,104.3 33.52,104.3 32.68,105.14 17.46,105.14 15.75,106.85 KR1.5 ; 107.88,116.97 108.04,117.13 ; 191.8,120.64 191.64,120.47 ; 191.8,120.64 191.64,120.47
Net-(J1-Pin_4): length 130
  Top w0.2: 171.68,129.11 171.92,129.35 189.94,129.35 190.34,128.94 201.09,128.94 202.79,127.25 J1.4 ; 171.68,129.11 171.52,128.94 ; 171.68,129.11 171.52,128.94 ; 171.52,128.94 167.54,128.94 167.14,129.35 156.58,129.35 156.34,129.11 ; 156.34,129.11 156.18,128.94 ; 156.34,129.11 156.18,128.94 ; 156.18,128.94 155.05,128.94 v1(153.47,127.36) ; v1(151.6,131.1) 151.09,130.59 148.52,130.59 148.12,130.99 133.68,130.99 133.65,130.96 133.37,130.96 133.34,130.99 131.77,130.99 131.29,130.51 131.21,130.51 130.99,130.73 v1(101.19,130.73)
  Bottom w0.2: KR3.1 94.65,112.25 98.06,115.66 98.06,127.59 v1(101.19,130.73) ; v1(151.6,131.1) 151.6,129.23 v1(153.47,127.36)
Net-(J1-Pin_5): length 125
  Top w0.2: v1(93.97,117.54) 94.37,117.14 107.48,117.14 107.72,117.37 ; 107.72,117.37 107.88,117.54 ; 107.72,117.37 107.88,117.54 ; 107.88,117.54 110.84,117.54 113.9,120.6 113.9,120.8 115.31,122.21 126.32,122.21 ; 167.24,120.63 167.35,120.74 ; 167.24,120.63 167.35,120.74 ; 167.24,120.63 167.01,120.4 166.25,120.4 166.07,120.22 136.01,120.22 133.49,122.74 126.85,122.74 126.48,122.38 ; 167.35,120.74 173.27,120.74 173.75,120.27 189.38,120.27 190.65,121.54 197.39,121.54 J1.5 ; 126.48,122.38 126.32,122.21 ; 126.48,122.38 126.32,122.21
  Bottom w0.2: v1(93.97,117.54) 93.6,117.17 93.6,107.7 94.12,107.17 94.65,107.17 KR3.3
